# Allegro board 038RT-9068CJK8E-A100_0921.brd (continued)
## Routing (per net, layer and track width the routed paths; a pad name or vN(x,y) marks a point on that pad's centre or on a via; arc(x,y) is an arc through that point) (continued)
SLOT23.DGS08: length 427.1
  TOP w0.203: STG2.2 v2(183.04,40.03)
  L15_SIGNAL w0.203: v2(183.04,40.03) 190.58,40.03 192.03,38.58 205.26,38.58 209.46,42.78 215.9,42.78 217.27,44.16 257.71,44.16 259.99,46.44 259.99,84.1 263.03,87.15 283.23,87.15 292.35,96.27 292.35,148.51 320.69,176.85 320.69,208.78 322.37,210.45 322.37,216.26 321.28,217.35 321.28,247.57 328.8,255.09 328.8,291.6 362.19,324.99 362.19,335.6 SLOT23.D3
SLOT23.DGS09: length 379.4
  L15_SIGNAL w0.203: SLOT23.D6 364.17,341.5 369.81,341.5 371.46,339.85 371.46,330.44 332.58,291.56 332.58,182.42 295.74,145.58 295.74,94.83 284.54,83.62 280.11,83.62 262.05,65.56 262.05,44.51 254.36,36.83 250.81,36.83 246.74,32.77 242.55,32.77 v2(241.41,31.63)
  BOTTOM w0.203: STG01.2 v2(241.41,31.63)
SLOT23.DGS15: length 143.2
  L15_SIGNAL w0.203: v2(265.1,444.54) 264.41,443.85 264.41,418.84 272.58,410.66 295.44,410.66 322.98,383.13 360.21,383.13 363.13,380.21 SLOT23.D24
  BOTTOM w0.203: UNK2STG01.2 v2(265.1,444.54)
SLOT23.DGS16: length 179
  L17_SIGNAL w0.203: SLOT23.F21 356.59,372.54 350.89,366.84 350.89,334.03 333.26,316.41 291.55,316.41 263.08,287.93 263.08,279.79 267.11,275.76 267.11,271.38 265.67,269.94 v2(265.67,269.62)
  L24_RLY w0.203: SLOT23.F21 360.02,373.43 360.02,377.65 SLOT23.F24
  BOTTOM w0.203: UNK2STG5.2 v2(265.67,269.62)
SLOT23.DGS18: length 206.2
  L17_SIGNAL w0.203: SLOT23.F18 360.11,365.56 360.11,348.23 360.82,347.52 369.53,347.52 370.19,346.86 370.19,330.61 349.23,309.65 334.83,309.65 313.73,288.55 313.73,279.82 310.75,276.84 310.75,276.39 311.24,275.9 311.24,256.17 311.92,255.49 311.92,242.42 306.56,237.06 281.49,237.06 277.86,240.69 v2(277.86,241.04)
  BOTTOM w0.203: UNK2STG6.2 v2(277.86,241.04)
SLOT23.DGS22: length 747.5
  L17_SIGNAL w0.203: SLOT23.F3 354.42,341.25 354.42,367.1 357.1,369.78 359.55,369.78 360.02,370.25 360.02,385.35 349.49,395.87 292.79,395.87 283.11,405.55 200.31,405.55 189.39,416.46 142.77,416.46 135.02,424.21 135.02,443.26 127.69,450.6 111.39,450.6 99.3,438.51 99.3,428.35 119.78,407.86 119.78,327.71 121.99,325.51 121.99,305.66 119.78,303.45 119.78,272.75 120.75,271.78 127.18,271.78 128.62,270.35 128.62,256.37 130.78,254.21 146.71,254.21 147.96,252.96 147.96,229.34 149.36,227.94 149.36,211.18 152.15,208.39 262.23,208.39 263.46,209.62 v2(265.67,209.62)
  L24_RLY w0.203: SLOT23.F6 360.02,341.65 360.02,337.43 SLOT23.F3
  BOTTOM w0.203: STG5.2 v2(265.67,209.62)
SLOT23.FORCE09: length 0.8
  BOTTOM w0.203: ST01.1 v2(240.14,34.17)
  vias: v2(243.78,36.91) v2(243.78,35.89) v2(244.79,36.91) v2(244.79,35.89)
SLOT23.FORCE15: length 1.3
  L23_POWER w1.524: SLOT23.E22 361.13,375.12
  BOTTOM w0.203: UNK2ST01.1 v2(266.37,442)
  vias: v2(261.72,440.28) v2(261.72,439.27) v2(262.73,440.28) v2(262.73,439.27)
SLOT23.SENSE00: length 249.3
  L17_SIGNAL w0.203: SLOT23.C22 365.94,373.73 371.75,373.73 373.37,372.12 373.37,327.24 351.68,305.55 340.17,305.55 328.75,294.13 328.75,208.98 324.06,204.29 324.06,200.7 320.91,197.56 320.91,183.21 317.96,180.26 303.21,180.26 v1(300.57,182.9)
SLOT23.SENSE01: length 255.7
  L17_SIGNAL w0.203: SLOT23.C19 366.17,367.5 370.76,367.5 372.59,365.67 372.59,327.56 351.35,306.32 339.54,306.32 321.7,288.47 321.7,276.3 323.36,274.64 323.36,269.42 321.51,267.57 321.51,217.45 323.11,215.84 323.11,209.45 321.08,207.42 321.08,198.93 317.24,195.09 317.24,184.13 316.78,183.66 300.24,183.66 299.76,183.19 299.76,182.71 v1(300.57,181.9) 298.8,180.12 289.56,180.12 v2(288.82,180.86)
  BOTTOM w0.203: ST1.2 v2(288.82,180.86)
SLOT23.SENSE02: length 147.6
  L15_SIGNAL w0.203: SLOT23.C16 364.2,363.47 352.79,363.47 346.31,357 346.31,331.47 309.52,294.67 309.52,278.35 302.39,271.22 302.39,262.55 298.73,258.9 298.73,256.51 v2(295.43,253.2)
  BOTTOM w0.203: UNK2ST3.2 v2(295.43,253.2)
SLOT23.SENSE03: length 124.4
  TOP w0.203: UNK2ST2.2 v2(323.5,438.48)
  L15_SIGNAL w0.203: SLOT23.C13 364.22,357.45 364.22,360.81 364.94,361.52 369.51,361.52 370.44,362.46 370.44,380.33 341.83,408.94 326.33,408.94 317.9,417.37 317.9,437.87 318.54,438.51 319.66,438.51 319.69,438.48 v2(323.5,438.48)
SLOT23.SENSE04: length 242.4
  L17_SIGNAL w0.203: SLOT23.C10 366.12,351.53 369.85,351.53 371.24,350.14 371.24,328.83 351.18,308.77 337.22,308.77 318.07,289.61 318.07,200.69 317.51,200.14 315.19,200.14 314.54,199.49 314.54,198.11 313.17,196.74 291.46,196.74 288.27,193.54 288.27,188.05 284.6,184.38 284.6,180.76 283.91,180.07 278.9,180.07 278.7,180.27 v2(278.7,181.06)
  BOTTOM w0.203: ST6.2 v2(278.7,181.06)
SLOT23.SENSE05: length 186.8
  L15_SIGNAL w0.203: v2(295.43,193.2) 298.73,196.51 298.73,198.9 302.39,202.55 302.39,211.99 309.57,219.18 309.57,248.5 319.55,258.48 319.55,277.49 322.3,280.25 322.3,293.87 355.96,327.53 355.96,343.79 357.74,345.57 364.1,345.57 SLOT23.C7
  BOTTOM w0.203: ST3.2 v2(295.43,193.2)
SLOT23.SENSE06: length 134.9
  L17_SIGNAL w0.203: SLOT23.C4 364.09,337.51 364.09,330.61 346.29,312.8 330.53,312.8 306.46,288.73 306.46,269.84 305.31,268.7 305.31,260.85 306.37,259.79 306.37,244.58 305.31,243.52 302.55,243.52 301.93,242.9 v1(300.57,242.9)
SLOT23.SENSE07: length 145.4
  L17_SIGNAL w0.203: v2(288.82,240.86) 289.26,240.42 299.09,240.42 v1(300.57,241.9) 302.12,240.35 305.98,240.35 307.31,241.69 307.31,288.58 330.83,312.09 346.92,312.09 364.98,330.15 364.98,332.4 SLOT23.C1
  BOTTOM w0.203: UNK2ST1.2 v2(288.82,240.86)
SLOT23.SENSE08: length 427
  TOP w0.203: ST2.2 v2(183.01,38.96)
  L15_SIGNAL w0.203: SLOT23.C2 364.09,333.51 364.09,325.92 329.49,291.32 329.49,254.8 321.97,247.28 321.97,217.64 323.06,216.55 323.06,210.17 321.38,208.49 321.38,176.56 293.04,148.22 293.04,95.99 283.51,86.46 263.32,86.46 260.68,83.81 260.68,45.94 256.69,41.95 209.56,41.95 205.33,37.72 191.57,37.72 190.33,38.96 v2(183.01,38.96)
SLOT23.SENSE09: length 375.6
  L15_SIGNAL w0.203: SLOT23.C5 366.1,339.57 370.47,339.57 370.8,339.24 370.8,330.72 331.92,291.84 331.92,182.7 295.08,145.86 295.08,95.1 284.26,84.28 279.84,84.28 261.39,65.83 261.39,45.5 253.98,38.1 249.92,38.1 246.74,34.93 243.44,34.93 v2(240.14,31.63)
  BOTTOM w0.203: ST01.2 v2(240.14,31.63)
SLOT23.SENSE15: length 145.4
  L15_SIGNAL w0.203: v2(266.37,444.54) 265.76,443.93 265.76,418.61 272.91,411.46 295.77,411.46 323.31,383.92 360.54,383.92 364.09,380.37 364.09,377.58 SLOT23.C23
  BOTTOM w0.203: UNK2ST01.2 v2(266.37,444.54)
SLOT23.SENSE16: length 174.3
  L17_SIGNAL w0.203: v2(265.67,270.76) 265.67,272.57 265.18,273.06 265.18,276.21 262.35,279.04 262.35,289.35 291.3,318.31 333.24,318.31 349.57,334.64 349.57,367.83 358.28,376.54 SLOT23.F23
  BOTTOM w0.203: v2(265.67,270.76) 264.8,270.76 264.34,270.31 UNK2RS5.2
SLOT23.SENSE17: length 173.4
  L17_SIGNAL w0.203: SLOT23.F20 356.11,370.54 351.65,366.08 351.65,333.72 333.57,315.65 292.39,315.65 264.05,287.3 264.05,281.2 269.29,275.96 269.29,272.48 v2(265.67,268.86)
  BOTTOM w0.203: UNK2RS5.1 v2(265.67,268.86) UNK2ST5.2
SLOT23.SENSE18: length 201.8
  L17_SIGNAL w0.203: v2(278.7,241.06) 278.7,241.04 281.84,237.9 306.22,237.9 311.08,242.77 311.08,255.14 309.48,256.75 309.48,269.82 310.4,270.75 310.4,275.55 309.92,276.04 309.92,277.19 312.89,280.17 312.89,288.9 334.49,310.49 348.89,310.49 368.26,329.86 368.26,345.03 367.78,345.52 358.91,345.52 358.12,346.3 358.12,363.54 SLOT23.F17
  BOTTOM w0.203: UNK2ST6.2 v2(278.7,241.06)
SLOT23.SENSE22: length 754.7
  L17_SIGNAL w0.203: SLOT23.F5 356.56,343.11 356.56,365.74 358.33,367.5 363.3,367.5 364.02,368.22 364.02,383.95 350.25,397.72 293.55,397.72 283.88,407.4 201.07,407.4 190.16,418.31 144,418.31 136.97,425.33 136.97,444.15 128.68,452.44 110.62,452.44 97.82,439.64 97.82,427.22 117.94,407.1 117.94,326.95 120.14,324.75 120.14,306.62 117.94,304.42 117.94,269.78 120.05,267.67 125.57,267.67 127.12,266.11 127.12,254.98 129.63,252.48 142.32,252.48 143.69,251.11 143.69,242.41 144.46,241.65 144.46,228.52 145.65,227.33 145.65,209.5 150.69,204.47 262.93,204.47 264.98,206.52 266.65,206.52 267.07,206.94 267.07,209.36 v2(265.67,210.76)
  BOTTOM w0.203: v2(265.67,210.76) 264.8,210.76 264.34,210.31 RS5.2
SLOT23.SENSE23: length 748.7
  L17_SIGNAL w0.203: v2(265.67,208.86) 263.77,208.86 262.54,207.63 151.83,207.63 148.6,210.86 148.6,227.62 147.19,229.03 147.19,242.64 145.17,244.66 145.17,251.9 143.71,253.36 130.55,253.36 127.89,256.02 127.89,267.07 126.34,268.63 120.45,268.63 119.02,270.05 119.02,303.95 121.23,306.16 121.23,325.2 119.02,327.4 119.02,407.55 98.59,427.98 98.59,438.87 111.07,451.36 128.27,451.36 135.95,443.67 135.95,424.65 143.38,417.22 189.71,417.22 200.62,406.31 283.43,406.31 293.11,396.63 349.8,396.63 361.84,384.59 361.84,369.86 361.31,369.32 357.82,369.32 355.13,366.63 355.13,342.51 358.11,339.54 359.53,339.54 360.08,338.99 360.08,335.49 SLOT23.F2
  BOTTOM w0.203: RS5.1 v2(265.67,208.86) ST5.2
SLOT24.DGS00: length 209.2
  L17_SIGNAL w0.203: SLOT24.C24 390.53,379.71 388.04,382.19 380.46,382.19 379.09,380.83 379.09,324.37 365.78,311.05 365.78,261.08 369.59,257.27 369.59,240.59 371.76,238.42 398.76,238.42 400.42,240.07 407.22,240.07 v2(407.98,240.83)
  L24_RLY w0.203: SLOT24.C21 389.64,373.43 389.64,377.65 SLOT24.C24
  BOTTOM w0.203: UNK3STG1.2 v2(407.98,240.83)
SLOT24.DGS02: length 264.9
  L15_SIGNAL w0.203: SLOT24.C18 389.8,365.81 388.26,365.81 387.69,365.24 387.69,347.83 388.23,347.29 389.33,347.29 389.49,347.13 389.49,344.34 390.21,343.61 396.65,343.61 396.85,343.41 396.85,330.81 394.9,328.87 378.83,328.87 336.77,286.81 336.77,279.58 337.19,279.16 337.19,273.35 335.77,271.92 335.77,267.33 337.42,265.68 337.42,262.38 336.77,261.73 336.77,256.72 338.18,255.31 338.18,253.75 341.6,250.33 341.6,248.78 354.43,235.95 413.51,235.95 416.97,239.41 416.97,250.44 414.87,252.53 414.87,253.66 v2(415.43,254.22)
  BOTTOM w0.203: UNK3STG3.2 v2(415.43,254.22)
SLOT24.DGS03: length 117.8
  L15_SIGNAL w0.203: SLOT24.C15 391.66,359.41 394.92,359.41 395.72,360.21 395.72,385.04 423.98,413.3 432.42,413.3 437.97,418.85 437.97,443.44 439.08,444.54 v2(442.89,444.54)
  BOTTOM w0.203: UNK3STG01.2 v2(442.89,444.54)
SLOT24.DGS04: length 960.8
  L15_SIGNAL w0.203: v2(423.86,31.63) 426.29,29.2 440.16,29.2 445.13,34.17 445.13,57.41 448.03,60.32 499.23,60.32 503.91,55.63 503.91,46.74 508.12,42.54 558.65,42.54 560.57,44.46 560.57,120.79 582.85,143.07 582.85,166.94 584.44,168.53 608.31,168.53 612.89,173.11 612.89,179.7 605.27,187.32 605.27,191.01 606.54,192.28 606.54,195.45 612.12,201.04 612.12,211.84 609.2,214.76 609.2,244.86 605.27,248.79 605.27,250.57 606.28,251.59 606.28,254.76 612.12,260.6 612.12,274.38 608.83,277.67 608.83,295.77 604.5,300.11 527.28,300.11 514.34,313.05 514.34,347.48 568.57,401.71 568.57,431.79 563.73,436.63 535.3,436.63 531.87,433.21 501.52,433.21 499.21,430.9 499.21,416.93 492.75,410.47 426.71,410.47 398.5,382.26 398.5,354.19 397.75,353.44 391.63,353.44 SLOT24.C12
  BOTTOM w0.203: UNK1STG01.2 v2(423.86,31.63)
SLOT24.DGS05: length 400.4
  L15_SIGNAL w0.203: v2(415.43,194.22) 414.64,193.44 414.64,192.68 417.59,189.74 417.59,181.06 416.54,180.01 387.08,180.01 386.47,180.62 386.47,183.02 383.55,185.94 383.55,231.97 385.01,233.43 420.04,233.43 428.05,241.45 428.05,251.35 423.14,256.26 415.38,256.26 413.5,254.38 413.5,251.1 412.68,250.28 412.68,240.79 411.83,239.94 359.59,239.94 341.68,257.85 341.68,261.17 340.37,262.48 340.37,277.14 341.5,278.27 341.5,288.02 342.62,289.14 346.38,289.14 348.46,291.22 348.46,293.17 380.58,325.29 394.85,325.29 398.48,328.93 398.48,345.6 396.57,347.52 391.55,347.52 SLOT24.C9
  BOTTOM w0.203: UNK1STG3.2 v2(415.43,194.22)
SLOT24.DGS06: length 678.4
  L17_SIGNAL w0.203: SLOT24.C3 389.52,335.53 389.52,333.98 389.95,333.55 396.6,333.55 406.93,343.88 406.93,388.15 416.25,397.46 519,397.46 534,412.47 534,433.32 535.91,435.23 545.45,435.23 551.04,440.82 556.5,440.82 558.25,442.56 579.58,442.56 596.18,425.97 596.18,397.57 545.85,347.25 545.85,327.36 525.08,306.59 525.08,300.7 519.41,295.03 519.41,282.27 517.1,279.96 515.39,279.96 512.71,277.29 512.71,258.71 513.79,257.64 513.79,243.66 513.3,243.18 513.3,239.11 508.93,234.74 508.93,208.98 498.17,198.22 492,198.22 470.78,177 411.47,177 407.98,180.49 v2(407.98,180.83)
  L24_RLY w0.203: SLOT24.C3 389.64,337.43 389.64,341.65 SLOT24.C6
  BOTTOM w0.203: UNK1STG1.2 v2(407.98,180.83)
SLOT24.DGS08: length 687.7
  L17_SIGNAL w0.203: SLOT24.D3 389.6,337.62 397.27,337.62 405.2,345.55 405.2,388.86 415.53,399.2 504.89,399.2 526.43,420.73 526.43,432.08 527.92,433.58 531.73,433.58 535.03,436.88 544.31,436.88 545.96,438.53 545.96,443.28 548.88,446.2 580.04,446.2 597.91,428.33 597.91,394.01 547.59,343.69 547.59,326.64 526.83,305.89 526.83,297.64 521.14,291.96 521.14,281.14 518.36,278.37 516.78,278.37 516.15,277.74 516.15,255.89 519.18,252.87 519.18,238.9 512.04,231.76 512.04,209.34 498.76,196.06 492.29,196.06 471.5,175.27 401.29,175.27 397.86,178.7 v2(397.86,181.04)
  BOTTOM w0.203: UNK1STG6.2 v2(397.86,181.04)
SLOT24.DGS09: length 352.9
  TOP w0.203: UNK1STG2.2 v2(364.21,40.03)
  L15_SIGNAL w0.203: SLOT24.D6 387.55,341.57 383.5,341.57 380.68,338.75 380.68,337.3 333.23,289.85 333.23,184.41 373.66,143.99 373.66,86.15 361.03,73.52 361.03,66.31 365.49,61.85 365.49,41.31 v2(364.21,40.03)
SLOT24.DGS14: length 184.2
  L17_SIGNAL w0.203: v2(397.86,241.04) 397.31,240.49 375.09,240.49 373.85,241.73 373.85,257.49 370.41,260.92 370.41,272.83 375.33,277.75 375.33,318.48 380.59,323.75 380.59,379.88 381.41,380.7 386.14,380.7 387.69,379.15 387.69,373.38 SLOT24.D21
  BOTTOM w0.203: UNK3STG6.2 v2(397.86,241.04)
SLOT24.DGS15: length 176.4
  TOP w0.203: UNK3STG2.2 v2(501.26,437.41)
  L15_SIGNAL w0.203: SLOT24.D24 390.47,380.48 390.47,382.97 422.99,415.49 428.7,415.49 430.21,417 430.21,426.95 432.43,429.17 432.43,452.61 434.45,454.63 438.38,454.63 439.53,455.78 483,455.78 494.97,443.82 494.97,439.9 497.45,437.41 v2(501.26,437.41)
SLOT24.DGS16: length 123.9
  L17_SIGNAL w0.203: SLOT24.F24 382.17,376.18 382.17,323.09 376.9,317.83 376.9,297.09 380.05,293.95 380.05,277.81 383.86,273.99 383.86,271.43 v2(385.67,269.62)
  L24_RLY w0.203: SLOT24.F21 385.42,373.43 385.42,377.65 SLOT24.F24
  BOTTOM w0.203: UNK3STG5.2 v2(385.67,269.62)
SLOT24.DGS22: length 282.1
  L17_SIGNAL w0.203: SLOT24.F6 385.65,343.66 395.74,343.66 399.59,347.51 399.59,381.24 395.55,385.29 378.52,385.29 375.86,382.63 375.86,325.71 360.94,310.78 360.94,281.3 362.24,280 362.24,258.78 363.52,257.5 363.52,236.97 366.71,233.77 378.33,233.77 383.44,228.66 383.44,211.22 385.04,209.62 v2(385.67,209.62)
  L24_RLY w0.203: SLOT24.F3 385.42,337.43 385.42,341.65 SLOT24.F6
  BOTTOM w0.203: UNK1STG5.2 v2(385.67,209.62)
SLOT24.FORCE03: length 0.8
  BOTTOM w0.203: UNK3ST01.1 v2(444.16,442)
  vias: v2(439.5,440.28) v2(439.5,439.27) v2(440.52,440.28) v2(440.52,439.27)
SLOT24.FORCE04: length 0.8
  BOTTOM w0.203: UNK1ST01.1 v2(422.59,34.17)
  vias: v2(426.23,36.91) v2(426.23,35.89) v2(427.24,36.91) v2(427.24,35.89)
SLOT24.SENSE00: length 266.2
  L17_SIGNAL w0.203: SLOT24.C22 391.61,373.46 391.61,370.05 391.11,369.55 389.88,369.55 389.25,368.93 389.25,366.21 390,365.46 395.84,365.46 398.07,367.69 398.07,380.7 394.97,383.8 379.72,383.8 377.56,381.65 377.56,325 364.22,311.66 364.22,259.75 367.57,256.4 367.57,238.06 370.31,235.32 377.47,235.32 378.8,236.65 399.61,236.65 401.35,238.39 418.58,238.39 421.48,241.29 421.48,241.99 v1(420.57,242.9)
SLOT24.SENSE01: length 253.8
  L17_SIGNAL w0.203: SLOT24.C19 391.24,367.83 395.34,367.83 396.51,369 396.51,379.86 393.42,382.96 380.03,382.96 378.26,381.18 378.26,324.71 364.94,311.4 364.94,260.73 368.75,256.92 368.75,240.24 371.42,237.58 399.11,237.58 400.76,239.23 417.91,239.23 v1(420.57,241.9) 418.23,241.9 416.82,240.49 409.64,240.49 409.27,240.86 v2(408.82,240.86)
  BOTTOM w0.203: UNK3ST1.2 v2(408.82,240.86)
SLOT24.SENSE02: length 277
  L15_SIGNAL w0.203: v2(415.43,253.2) 417.9,250.73 417.9,238.67 414.43,235.2 354.12,235.2 341.14,248.19 341.14,249.65 336.02,254.76 336.02,262 336.79,262.76 336.79,265.3 335.14,266.95 335.14,272.29 336.41,273.56 336.41,277.75 336.02,278.13 336.02,287.88 378.08,329.95 394.49,329.95 396,331.46 396,341.44 395.8,341.64 389.98,341.64 389.56,342.06 389.56,342.99 389.14,343.41 387.98,343.41 387.56,343.83 387.56,345.1 387.19,345.47 385.92,345.47 385.63,345.77 385.63,366.85 386.16,367.38 391,367.38 391.45,366.93 391.45,363.46 SLOT24.C16
  BOTTOM w0.203: UNK3ST3.2 v2(415.43,253.2)
SLOT24.SENSE03: length 120.5
  L15_SIGNAL w0.203: SLOT24.C13 391.49,357.5 395.46,357.5 396.85,358.89 396.85,384.57 424.45,412.17 432.89,412.17 439.1,418.39 439.1,439.6 439.83,440.33 439.83,444.02 440.35,444.54 v2(444.16,444.54)
  BOTTOM w0.203: UNK3ST01.2 v2(444.16,444.54)
SLOT24.SENSE04: length 959.7
  L15_SIGNAL w0.203: SLOT24.C10 391.52,351.54 397.11,351.54 399.4,353.82 399.4,381.89 427.08,409.57 493.12,409.57 500.11,416.56 500.11,430.53 501.89,432.31 532.24,432.31 535.67,435.74 563.36,435.74 567.67,431.42 567.67,402.08 513.44,347.85 513.44,312.67 526.91,299.21 604.12,299.21 607.93,295.4 607.93,277.3 611.23,274.01 611.23,260.98 605.38,255.13 605.38,251.96 604.37,250.94 604.37,248.42 608.31,244.48 608.31,214.38 611.23,211.46 611.23,201.41 605.64,195.83 605.64,192.65 604.37,191.38 604.37,186.95 612,179.32 612,173.48 607.93,169.42 584.18,169.42 582.02,167.26 582.02,143.51 559.67,121.16 559.67,44.83 558.28,43.43 508.49,43.43 504.81,47.12 504.81,56.01 499.6,61.21 447.66,61.21 444.23,57.78 444.23,34.54 439.78,30.1 426.7,30.1 424.42,32.38 423.34,32.38 v2(422.59,31.63)
  BOTTOM w0.203: UNK1ST01.2 v2(422.59,31.63)
SLOT24.SENSE05: length 404
  L15_SIGNAL w0.203: v2(415.43,193.2) 418.51,190.12 418.51,180.7 417.15,179.35 384.34,179.35 383.89,179.8 383.89,184.04 382.87,185.06 382.87,232.32 384.72,234.17 419.73,234.17 427.31,241.75 427.31,251.04 422.83,255.52 415.57,255.52 414.19,254.13 414.19,250.84 413.37,250.03 413.37,240.24 412.34,239.21 358.66,239.21 340.81,257.06 340.81,260.77 338.5,263.08 338.5,266.89 337.17,268.22 337.17,271.23 338.5,272.56 338.5,276.67 340.34,278.51 340.34,280.48 338.63,282.19 338.63,287.38 346.65,295.4 348.61,295.4 379.83,326.62 394.49,326.62 397.61,329.74 397.61,345.08 397.26,345.43 391.42,345.43 SLOT24.C7
  BOTTOM w0.203: UNK1ST3.2 v2(415.43,193.2)
SLOT24.SENSE06: length 652
  L17_SIGNAL w0.203: v1(420.57,182.9) 420.98,182.9 421.65,183.56 474.36,183.56 491.25,200.45 493.95,200.45 499.95,206.45 499.95,232.39 507.84,240.28 507.84,253.86 509.2,255.22 509.2,258.44 508.12,259.52 508.12,266.97 508.97,267.82 508.97,275.9 517.12,284.04 517.12,297.67 522.02,302.57 522.02,306.31 544.02,328.32 544.02,349.96 592.7,398.64 592.7,427.05 581.22,438.53 559.58,438.53 556.83,435.78 550.4,435.78 547.78,433.16 547.78,423.22 520.05,395.49 420.89,395.49 409.49,384.08 409.49,333.59 404.86,328.96 390.35,328.96 387.54,331.77 387.54,339.17 388.12,339.75 389.32,339.75 SLOT24.C4
SLOT24.SENSE07: length 663.4
  L17_SIGNAL w0.203: SLOT24.C1 391.5,331.57 396.48,331.57 407.77,342.86 407.77,387.8 416.59,396.63 519.79,396.63 534.79,411.63 534.79,432.83 535.67,433.71 547.1,433.71 550.02,436.63 554.97,436.63 559.29,440.94 580.02,440.94 595.34,425.62 595.34,398.73 545.02,348.41 545.02,327.71 524.17,306.87 524.17,301.4 518.57,295.8 518.57,284.18 511.35,276.96 511.35,238.82 507.23,234.7 507.23,208.81 497.48,199.06 491.66,199.06 470.44,177.84 424.63,177.84 v1(420.57,181.9) 419.01,180.34 409.34,180.34 v2(408.82,180.86)
  BOTTOM w0.203: UNK1ST1.2 v2(408.82,180.86)
SLOT24.SENSE08: length 680.4
  L17_SIGNAL w0.203: SLOT24.C2 391.55,335.56 396.91,335.56 406.03,344.68 406.03,388.52 415.88,398.36 505.42,398.36 527.26,420.2 527.26,431.65 528.43,432.82 532.11,432.82 535.42,436.12 544.94,436.12 548.12,439.29 548.12,442.83 550.66,445.37 579.69,445.37 597.07,427.99 597.07,395.02 546.75,344.7 546.75,326.99 526,306.24 526,298.08 520.3,292.38 520.3,281.85 517.62,279.16 516.3,279.16 515.34,278.2 515.34,254.85 517.17,253.02 517.17,238.38 510.47,231.68 510.47,209.22 498.58,197.33 492.37,197.33 471.16,176.11 401.63,176.11 398.7,179.04 v2(398.7,181.06)
  BOTTOM w0.203: UNK1ST6.2 v2(398.7,181.06)
SLOT24.SENSE09: length 356.5
  TOP w0.203: UNK1ST2.2 v2(364.19,38.96)
  L15_SIGNAL w0.203: v2(364.19,38.96) 366.12,40.9 366.12,62.36 361.7,66.78 361.7,73.24 374.33,85.87 374.33,144.27 336.6,182 336.6,196.76 335.73,197.64 335.73,199.51 336.72,200.5 336.72,207.32 335.81,208.24 335.81,215.26 336.53,215.99 336.53,219.46 335.81,220.18 335.81,227.65 336.43,228.27 336.43,231.39 335.44,232.39 335.44,233.97 336.39,234.92 336.39,243.07 333.89,245.58 333.89,282.45 334.39,282.96 334.39,290.06 383.77,339.43 389.41,339.43 SLOT24.C5
SLOT24.SENSE14: length 192.8
  L17_SIGNAL w0.203: v2(398.7,241.06) 398.7,240.69 397.66,239.65 374.74,239.65 373.01,241.39 373.01,257.14 369.58,260.58 369.58,273.18 374.49,278.09 374.49,318.83 379.76,324.09 379.76,380.22 380.99,381.46 387.46,381.46 389.47,379.45 389.47,371.6 SLOT24.C20
  BOTTOM w0.203: UNK3ST6.2 v2(398.7,241.06)
SLOT24.SENSE15: length 174.7
  TOP w0.203: UNK3ST2.2 v2(501.29,438.48)
  L15_SIGNAL w0.203: v2(501.29,438.48) 497.48,438.48 494.22,441.74 494.22,443.51 482.69,455.03 439.84,455.03 438.69,453.88 434.76,453.88 433.18,452.3 433.18,428.86 430.96,426.64 430.96,416.26 429.13,414.44 423.43,414.44 391.52,382.53 391.52,377.54 SLOT24.C23
SLOT24.SENSE16: length 113.8
  L17_SIGNAL w0.203: v2(385.67,270.76) 384.52,271.91 384.52,274.55 380.87,278.2 380.87,294.12 377.78,297.22 377.78,317.47 383.04,322.73 383.04,375.05 SLOT24.F23
  BOTTOM w0.203: v2(385.67,270.76) 384.8,270.76 384.34,270.31 UNK3RS5.2
SLOT24.SENSE17: length 133.4
  L17_SIGNAL w0.203: v2(385.67,268.86) 385.35,268.86 383.2,271.01 383.2,273.57 379.28,277.49 379.28,293.63 376.14,296.77 376.14,318.14 381.41,323.41 381.41,379.43 381.79,379.81 385.14,379.81 385.61,379.35 385.61,371.62 SLOT24.F20
  BOTTOM w0.203: UNK3ST5.2 v2(385.67,268.86) UNK3RS5.1
SLOT24.SENSE22: length 272.1
  L17_SIGNAL w0.203: SLOT24.F5 383.8,341.27 383.8,345.03 384.26,345.49 395.13,345.49 398.78,349.14 398.78,381.03 395.25,384.56 379.11,384.56 376.7,382.14 376.7,325.36 363.27,311.94 363.27,259.11 364.39,257.99 364.39,255.84 366.34,253.89 366.34,236.99 368.71,234.61 378.92,234.61 384.3,229.24 384.3,212.62 385.67,211.25 v2(385.67,210.76)
  BOTTOM w0.203: v2(385.67,210.76) 384.8,210.76 384.34,210.31 UNK1RS5.2
SLOT24.SENSE23: length 288.5
  L17_SIGNAL w0.203: SLOT24.F2 385.45,335.47 385.45,341.02 386.01,341.58 395.59,341.58 400.36,346.35 400.36,381.56 395.86,386.05 378.21,386.05 375.1,382.94 375.1,326.02 360.14,311.06 360.14,259.07 362.75,256.46 362.75,236.65 366.4,233.01 378.01,233.01 382.68,228.35 382.68,210.9 384.72,208.86 v2(385.67,208.86)
  BOTTOM w0.203: UNK1ST5.2 v2(385.67,208.86) UNK1RS5.1
VDC:
  vias: v2(44.92,423.81) v2(45.55,432.96) v2(45.55,430.42) v2(45.55,427.88) v2(45.55,425.34) v2(46.07,423.81) v2(48.09,432.96) v2(48.09,430.42) v2(48.09,427.88) v2(48.09,425.34) v2(48.09,422.8) v2(50.63,432.96) v2(50.63,430.42) v2(50.63,427.88) v2(50.63,425.34) v2(50.63,422.8) v2(57.51,262.56) v2(57.51,202.56) v2(58.78,262.56) v2(58.78,202.56) v2(60.05,262.56) v2(60.05,202.56) v2(125.13,446.72) v2(143.67,25.33) v2(542.66,447.8) v2(594.04,20.85) v2(630.54,269.88) v2(630.54,209.88) v2(631.81,269.88) v2(631.81,209.88) v2(633.08,269.88) v2(633.08,209.88)
VN15:
  vias: v2(340.53,48.9) v2(341.17,46.35) v2(341.49,44.45) v2(341.49,43.18) v2(341.49,41.91)
VP5A: length 6.6
  BOTTOM w0.508: R592.2 v1(50.35,240.77) ; R590.2 237.03,183.37 236.58,183.82 v1(235.67,183.82) ; v2(596.93,46.83) 596.94,46.82 UB1.8
  vias: v1(141.9,210.38) v1(143.41,215.43) v1(218.44,191.16) v1(257.63,183.74) v2(340.39,16.45) v2(340.97,13.99) v2(342.08,16.9) v2(607.06,44.09)
VP5A_RLD: length 1.7
  TOP w0.508: LDB2.1 342.08,18.61 LRB2.2
VP5B:
  vias: v2(348.41,16.44) v2(348.99,13.99) v2(350.1,16.9)
VP5B_EN: length 5.9
  TOP w0.508: RBB8.1 341.7,123.53 344.97,123.53 SLOT18.C16
VP5B_RLD: length 1.7
  TOP w0.508: LDB1.1 350.1,18.6 LRB1.2
VP12:
  vias: v2(618.9,20.69) v2(620.17,20.69) v2(621.44,20.69) v2(623.69,20.68) v2(626.49,20.68) v2(629.28,20.68) v2(632.07,20.68) v2(634.87,20.68) v2(637.66,20.68) v2(639.96,20.68) v2(642.75,20.68)
VP12_F: length 17.2
  BOTTOM w0.35: MUX1.12 v1(337.67,272.61) ; MUX10.12 v1(337.67,249.75) ; MUX12.12 v1(337.67,261.18) ; MUX3.12 v1(326.3,272.61) ; MUX7.12 v1(337.67,238.32) ; MUX2.12 v1(325.92,192.6) ; MUX11.12 v1(326.24,261.18) ; MUX9.12 v1(337.67,192.6) ; MUX14.12 v1(337.67,215.46) ; MUX5.12 v1(325.92,204.03) ; MUX4.12 v1(326.24,238.32) ; MUX15.12 v1(325.92,215.46) ; MUX6.12 v1(337.67,204.03) ; MUX8.12 v1(326.24,249.75) ; MUX16.12 v1(325.92,226.89) ; MUX13.12 v1(337.67,226.89)
  vias: v2(604.02,19.99)
VP12_R: length 20.8
  TOP w0.508: FILTER1.5 602.71,17.54 601.38,18.87 R1.1 603.95,24.12 v2(604.02,24.19) 606.47,26.64 FILTER1.6
VP12_RLD: length 2.7
  TOP w0.508: LDB3.1 648.28,22 LRB3.1
VP15:
  vias: v2(339.9,37.21) v2(341.35,35.23) v2(341.35,33.96) v2(341.35,32.69) v2(341.59,37.67)
VP15_RLD: length 1.7
  TOP w0.508: LDB5.1 341.59,39.37 LRB5.1
VP24:
  vias: v2(339.9,27.91) v2(341.35,25.93) v2(341.35,24.66) v2(341.35,23.39) v2(341.59,28.37)
VP24_RLD: length 1.7
  TOP w0.508: LDB4.1 341.51,30.07 LRB4.1
N16084055: length 1.7
  TOP w0.508: LDB6.1 338.42,49.11 LRB6.1
N44862767: length 7.7
  BOTTOM w0.115: RB1.2 UB1.3 602.41,44.09 601.14,45.36 UB1.7

## Copper pours and planes (outline as drawn; the poured copper is in the pictures)
AGND on L09_SIGNAL: 301.34,49.25 305.54,45.06 326.7,45.06 329.55,47.9 329.55,61.88 334.89,67.22 394.74,67.22 399.34,71.82 399.34,145.89 395.34,149.89 305.66,149.89 301.34,145.57
DGND on BOTTOM (solid shape): 137.26,274.9 137.31,275.02 137.43,275.05 138.53,274.72 137.99,274 137.41,273.35
DGND on BOTTOM (solid shape): 137.26,258.75 137.31,258.86 137.43,258.9 138.53,258.57 137.99,257.85 137.41,257.19
DGND on BOTTOM (solid shape): 137.26,214.9 137.31,215.02 137.43,215.05 138.53,214.72 137.99,214 137.41,213.35
DGND on BOTTOM (solid shape): 137.26,198.75 137.31,198.86 137.43,198.9 138.53,198.57 137.99,197.85 137.41,197.19
DGND on BOTTOM (solid shape): 229.29,242.94 229.35,243.06 229.47,243.1 230.56,242.76 230.02,242.05 229.44,241.39
DGND on BOTTOM (solid shape): 229.29,182.95 229.35,183.06 229.47,183.1 230.56,182.76 230.02,182.05 229.44,181.39
DGND on BOTTOM (solid shape): 251.5,242.94 251.56,243.06 251.68,243.1 252.77,242.76 252.24,242.05 251.66,241.39
DGND on BOTTOM (solid shape): 251.5,182.95 251.56,183.06 251.68,183.1 252.77,182.76 252.24,182.05 251.66,181.39
DGND on BOTTOM (solid shape): 445.23,258.99 445.17,258.88 445.05,258.84 443.96,259.17 444.49,259.89 445.07,260.55
DGND on BOTTOM (solid shape): 445.23,198.99 445.17,198.88 445.05,198.84 443.96,199.18 444.49,199.89 445.07,200.55
DGND on BOTTOM (solid shape): 467.44,258.99 467.38,258.88 467.26,258.84 466.17,259.17 466.71,259.89 467.29,260.55
DGND on BOTTOM (solid shape): 467.44,198.99 467.38,198.88 467.26,198.84 466.17,199.18 466.71,199.89 467.29,200.55
DGND on BOTTOM (solid shape): 553.34,273.69 553.28,273.58 553.16,273.54 552.07,273.87 552.61,274.59 553.19,275.25
DGND on BOTTOM (solid shape): 553.34,257.54 553.28,257.42 553.16,257.39 552.07,257.72 552.61,258.44 553.19,259.09
DGND on BOTTOM (solid shape): 553.34,213.69 553.28,213.58 553.16,213.54 552.07,213.87 552.61,214.59 553.19,215.25
DGND on BOTTOM (solid shape): 553.34,197.54 553.28,197.42 553.16,197.39 552.07,197.72 552.61,198.44 553.19,199.09
DGND on BOTTOM (solid shape): 41.15,281.39 41.26,281.56 41.47,281.59 42.26,281.09 41.73,280.34 41.15,279.72
DGND on BOTTOM (solid shape): 41.15,230.59 41.26,230.76 41.47,230.79 42.26,230.29 41.73,229.54 41.15,228.92
DGND on BOTTOM (solid shape): 649.45,277.41 649.33,277.24 649.12,277.21 648.33,277.71 648.87,278.46 649.45,279.08
DGND on BOTTOM (solid shape): 649.45,226.61 649.33,226.44 649.12,226.41 648.33,226.91 648.87,227.66 649.45,228.28
DGND on TOP: 579.68,46.35 582.86,46.35 583.49,46.98 583.49,51.43 582.86,52.06 579.68,52.06 579.05,51.43 579.05,46.98
DGND on TOP: 45.06,445.11 50.4,445.11 50.81,444.7 50.81,434.42 50.55,434.16 45.14,434.16 44.72,434.58 44.72,444.77
DGND on TOP: 22.82,392.8 24.16,392.8 24.43,393.08 24.43,394.88 24.13,395.19 22.74,395.19 22.53,394.98 22.53,393.09
DGND on TOP: 3.88,212 25.15,212 27.58,214.43 27.58,297.24 26.45,298.37 3.06,298.37 2.23,297.54 2.23,213.65
DGND on TOP: 283.09,425.79 283.09,428.23 283.91,429.06 283.91,429.44 283.66,429.69 282.64,429.69 282.64,431.09 281.14,432.59 281.14,440.26 281.83,440.95 291.02,440.95 291.51,440.45 291.51,432.34 294.94,428.92 310.66,428.92 313.22,431.47 313.22,456.6 310.94,458.88 264.72,458.88 263.35,457.51 263.35,439.29 278.15,424.48 281.79,424.48 ; 1 cut-out
DGND on TOP: 32.81,478.97 35.86,478.97 36.23,478.6 36.23,468.25 36,468.02 32.6,468.02 32.16,468.46 32.16,478.32
DGND on TOP: 49.04,450.28 49.04,447.24 48.67,446.87 38.32,446.87 38.09,447.1 38.09,450.49 38.53,450.93 48.39,450.93
DGND on TOP: 59.3,422.31 56.26,422.31 55.88,422.68 55.88,433.04 56.11,433.27 59.51,433.27 59.95,432.83 59.95,422.96
DGND on TOP: 49.04,477.4 49.04,474.35 48.67,473.98 38.32,473.98 38.09,474.21 38.09,477.61 38.53,478.05 48.39,478.05
DGND on TOP: 467.88,50.39 467.88,47.94 467.05,47.12 467.05,46.74 467.31,46.48 468.32,46.48 468.32,45.09 469.83,43.58 469.83,35.91 469.14,35.23 459.95,35.23 459.45,35.72 459.45,43.83 456.03,47.25 440.31,47.25 437.75,44.7 437.75,19.57 440.03,17.29 486.25,17.29 487.62,18.67 487.62,36.88 472.81,51.69 469.18,51.69 ; 1 cut-out
DGND on TOP: 398.87,425.79 398.87,428.23 399.69,429.06 399.69,429.44 399.44,429.69 398.42,429.69 398.42,431.09 396.92,432.59 396.92,440.26 397.6,440.95 406.8,440.95 407.29,440.45 407.29,432.34 410.72,428.92 426.44,428.92 428.99,431.47 428.99,456.6 426.72,458.88 380.5,458.88 379.12,457.51 379.12,439.29 393.93,424.48 397.56,424.48 ; 1 cut-out
DGND on TOP: 665.48,60.59 665.48,68.61 664.27,69.82 648.74,69.82 648.02,69.1 648.02,60.2 648.57,59.65 664.53,59.65
DGND on TOP: 686.71,296 665.45,296 663.02,293.57 663.02,210.76 664.15,209.63 687.54,209.63 688.36,210.46 688.36,294.35
DGND on TOP: 460.87,425.79 460.87,428.23 461.7,429.06 461.7,429.44 461.45,429.69 460.43,429.69 460.43,431.09 458.93,432.59 458.93,440.26 459.61,440.95 468.81,440.95 469.3,440.45 469.3,432.34 472.73,428.92 488.45,428.92 491,431.47 491,456.6 488.73,458.88 442.51,458.88 441.13,457.51 441.13,439.29 455.94,424.48 459.57,424.48 ; 1 cut-out
DGND on TOP: 257.35,176.68 253.94,180.09 253.94,200.51 255.55,202.12 255.55,213.7 255.66,213.81 255.66,226.09 258.46,228.89 315.56,228.89 318.07,226.38 318.07,180.87 313.88,176.68 ; 1 cut-out
DGND on TOP: 151.86,447.74 148.69,447.74 148.05,447.1 148.05,442.66 148.69,442.02 151.86,442.02 152.5,442.66 152.5,447.1
DGND on TOP: 568.08,444.72 564.9,444.72 564.27,444.08 564.27,439.64 564.9,439 568.08,439 568.71,439.64 568.71,444.08
DGND on TOP: 35.47,434.58 35.47,431.54 35.09,431.17 24.74,431.17 24.51,431.4 24.51,434.79 24.95,435.23 34.81,435.23
DGND on TOP: 30.21,393.8 35.77,393.8 35.95,393.98 35.95,397.41 30.24,397.41 30.01,397.18 30.01,394
DGND on TOP: 558.95,179.58 557.44,181.09 557.44,210.07 556.32,211.19 535.4,211.19 514.81,190.59 473.07,190.59 471.49,192.17 471.49,198.18 473.17,199.86 509.15,199.86 536.2,226.9 557.79,226.9 558.18,227.29 558.18,233.03 558.74,233.59 594.51,233.59 596.37,235.45 641.56,235.45 646.11,230.89 646.11,180.12 645.57,179.58 ; 5 cut-outs
DGND on TOP: 377.35,236.68 373.94,240.09 373.94,260.51 375.55,262.12 375.55,273.7 375.66,273.81 375.66,286.09 378.46,288.89 433.08,288.89 443.13,278.85 443.13,245.84 433.97,236.68 ; 1 cut-out
DGND on TOP: 35.97,460.3 35.97,457.25 35.6,456.88 25.25,456.88 25.02,457.11 25.02,460.51 25.46,460.95 35.32,460.95
DGND on TOP: 221.08,425.79 221.08,428.23 221.9,429.06 221.9,429.44 221.65,429.69 220.63,429.69 220.63,431.09 219.13,432.59 219.13,440.26 219.82,440.95 229.01,440.95 229.51,440.45 229.51,432.34 232.93,428.92 248.65,428.92 251.21,431.47 251.21,456.6 248.93,458.88 202.71,458.88 201.34,457.51 201.34,439.29 216.15,424.48 219.78,424.48 ; 1 cut-out
DGND on TOP: 257.35,236.68 253.94,240.09 253.94,260.51 255.55,262.12 255.55,273.7 255.66,273.81 255.66,286.09 258.46,288.89 315.56,288.89 318.07,286.38 318.07,240.87 313.88,236.68 ; 1 cut-out
DGND on TOP: 405.87,50.39 405.87,47.94 405.05,47.12 405.05,46.74 405.3,46.48 406.32,46.48 406.32,45.09 407.82,43.58 407.82,35.91 407.13,35.23 397.94,35.23 397.44,35.72 397.44,43.83 394.02,47.25 378.3,47.25 375.74,44.7 375.74,19.57 378.02,17.29 424.24,17.29 425.61,18.67 425.61,36.88 410.8,51.69 407.17,51.69 ; 1 cut-out
DGND on TOP: 18.55,401.12 25.64,401.12 27.9,403.38 27.9,416.18 25.87,418.21 19.11,418.21 17.94,417.04 17.94,401.73
DGND on TOP: 47.76,176.57 44.75,179.58 44.75,208.69 44.65,208.79 44.65,216.82 44.75,216.92 44.75,227 50.68,232.93 129.56,232.93 132.88,229.62 132.88,202.96 134.58,201.25 204.68,201.25 212.95,192.99 219.02,192.99 220.12,191.89 223.02,191.89 224.85,190.06 224.85,183.55 223.18,181.87 208.59,181.87 206.82,183.64 137.26,183.64 130.19,176.57 ; 7 cut-outs
DGND on TOP: 47.76,236.05 44.07,239.74 44.07,291.35 45.58,292.87 132.13,292.87 133.26,291.74 133.26,262.24 134.25,261.25 144.33,261.25 146.77,258.82 212.02,258.82 219.81,251.03 225.09,251.03 225.57,250.55 225.57,244.27 225.57,244.27 223.18,241.87 208.59,241.87 204.6,245.87 140.03,245.87 130.22,236.05 ; 5 cut-outs
DGND on TOP: 20.23,2.77 28.24,2.77 29.45,3.98 29.45,19.52 28.74,20.24 19.84,20.24 19.28,19.68 19.28,3.72
DGND on TOP: 664.25,381.99 664.25,390.01 663.04,391.22 647.5,391.22 646.78,390.5 646.78,381.6 647.34,381.05 663.3,381.05
DGND on TOP: 223.42,50.39 223.42,47.94 222.6,47.12 222.6,46.74 222.85,46.48 223.87,46.48 223.87,45.09 225.37,43.58 225.37,35.91 224.68,35.23 215.49,35.23 215,35.72 215,43.83 211.57,47.25 195.85,47.25 193.29,44.7 193.29,19.57 195.57,17.29 241.79,17.29 243.17,18.67 243.17,36.88 228.36,51.69 224.72,51.69 ; 1 cut-out
DGND on TOP: 122.25,40.78 125.42,40.78 126.06,41.42 126.06,45.86 125.42,46.5 122.25,46.5 121.61,45.86 121.61,41.42
DGND on TOP: 285.43,50.39 285.43,47.94 284.61,47.12 284.61,46.74 284.86,46.48 285.88,46.48 285.88,45.09 287.38,43.58 287.38,35.91 286.69,35.23 277.5,35.23 277.01,35.72 277.01,43.83 273.58,47.25 257.86,47.25 255.3,44.7 255.3,19.57 257.58,17.29 303.8,17.29 305.18,18.67 305.18,36.88 290.37,51.69 286.73,51.69 ; 1 cut-out
DGND on TOP: 558.81,238.9 557.46,240.24 557.46,269.31 555.58,271.19 550.81,271.19 530.22,250.59 473.07,250.59 471.49,252.17 471.49,258.18 472.78,259.47 523.71,259.47 545.56,281.32 545.57,281.32 550.33,286.09 560.86,286.09 561.72,286.95 561.72,292.56 562.73,293.57 594.37,293.57 596.82,296.02 641.56,296.02 647.06,290.52 647.06,242.52 643.43,238.9 ; 5 cut-outs
DGND on TOP: 377.35,176.68 373.94,180.09 373.94,200.51 375.55,202.12 375.55,213.7 375.66,213.81 375.66,226.09 378.46,228.89 433.08,228.89 443.13,218.85 443.13,185.84 433.97,176.68 ; 1 cut-out
DGND on BOTTOM: 386.92,15.47 419.44,15.47 420.64,16.67 420.64,20.8 423.48,23.64 423.48,56.23 419.56,60.15 385.63,60.15 384,58.51 384,55.72 384.04,55.68 384.04,49.11 382.88,47.95 382.88,19.51 ; 8 cut-outs
DGND on BOTTOM: 302.04,460.7 269.52,460.7 268.32,459.5 268.32,455.38 265.48,452.53 265.48,419.95 269.39,416.03 303.33,416.03 304.96,417.66 304.96,420.45 304.92,420.5 304.92,427.07 306.08,428.23 306.08,456.67 ; 8 cut-outs
DGND on BOTTOM: 572.14,181.21 558.05,181.21 554.97,184.29 546.92,184.29 541.17,190.05 541.17,204.29 538.04,207.42 482.96,207.42 479.28,203.73 479.28,184.58 475.24,180.54 458.71,180.54 458.63,180.62 442.2,180.62 436.13,186.69 436.13,195.58 443.11,202.56 472.96,202.56 474.41,204.01 474.41,209.65 478.6,213.84 539.68,213.84 544.1,218.26 560.92,218.26 572.81,230.16 633.7,230.16 635.17,228.69 635.17,184.22 630.08,179.12 574.23,179.12 ; 22 cut-outs
DGND on BOTTOM: 678.67,19.56 678.67,31.62 677.4,32.89 672.96,32.89 671.69,34.16 671.69,50.04 672.96,51.31 677.4,51.31 678.67,52.58 678.67,64.01 676.13,66.55 667.65,66.55 666.6,65.5 666.6,60.95 664.58,58.93 651.37,58.93 643.75,51.31 643.75,30.67 654.54,19.88 670.73,19.88 672.32,18.29 677.4,18.29 ; 3 cut-outs
DGND on BOTTOM: 227.27,260.87 262.33,260.87 263.29,261.82 263.29,275.15 262.74,275.69 227.3,275.69 226.54,274.93 226.54,261.6 ; 8 cut-outs
DGND on BOTTOM: 670.2,84.27 668.55,84.27 668.5,84.22 668.5,83.22 668.67,83.05 670.25,83.05 670.42,83.21 670.42,84.05
DGND on BOTTOM: 479.83,460.7 447.31,460.7 446.11,459.5 446.11,455.38 443.26,452.53 443.26,419.95 447.18,416.03 481.12,416.03 482.75,417.66 482.75,420.45 482.71,420.5 482.71,427.07 483.87,428.23 483.87,456.67 ; 8 cut-outs
DGND on BOTTOM: 323.86,211.23 323.86,216.18 323.05,216.99 316.59,216.99 315.64,216.04 315.64,210.83 316.21,210.26 322.89,210.26 ; 1 cut-out
DGND on BOTTOM: 20.18,126.94 20.18,126.04 20.42,125.8 21.84,125.8 22.08,126.04 22.08,126.92 21.76,127.23 20.47,127.23
DGND on BOTTOM: 417.82,460.7 385.3,460.7 384.1,459.5 384.1,455.38 381.25,452.53 381.25,419.95 385.17,416.03 419.11,416.03 420.74,417.66 420.74,420.45 420.7,420.5 420.7,427.07 421.86,428.23 421.86,456.67 ; 8 cut-outs
DGND on BOTTOM: 48.16,243.58 24.85,243.58 20.51,239.24 20.51,226.34 24.54,222.32 47.3,222.32 49.99,225.01 49.99,229.94 50.72,230.67 50.72,241.02 ; 2 cut-outs
DGND on BOTTOM: 218.32,240.03 215.78,242.57 215.78,251 214.31,252.48 132.57,252.48 123.31,243.22 119.95,243.22 119.01,242.28 56.89,242.28 55.42,243.75 55.42,288.22 60.61,293.41 130.53,293.41 135.38,288.57 158.35,288.57 163.5,283.41 163.5,261.17 165.24,259.44 210.42,259.44 212.71,261.72 235.21,261.72 237.61,259.32 258.72,259.32 260.87,257.18 260.87,244.47 256.42,240.03 ; 22 cut-outs
DGND on BOTTOM: 347.27,260.87 382.33,260.87 383.28,261.82 383.28,275.15 382.74,275.69 347.3,275.69 346.54,274.93 346.54,261.6 ; 8 cut-outs
DGND on BOTTOM: 227.27,200.87 262.33,200.87 263.29,201.82 263.29,215.15 262.74,215.69 227.3,215.69 226.54,214.93 226.54,201.6 ; 8 cut-outs
DGND on BOTTOM: 204.47,15.47 236.99,15.47 238.19,16.67 238.19,20.8 241.04,23.64 241.04,56.23 237.12,60.15 203.18,60.15 201.55,58.51 201.55,55.72 201.59,55.68 201.59,49.11 200.43,47.95 200.43,19.51 ; 8 cut-outs
DGND on BOTTOM: 347.27,200.87 382.33,200.87 383.28,201.82 383.28,215.15 382.74,215.69 347.3,215.69 346.54,214.93 346.54,201.6 ; 8 cut-outs
DGND on BOTTOM: 658.45,141.23 656.8,141.23 656.75,141.17 656.75,140.18 656.92,140.01 658.5,140.01 658.67,140.17 658.67,141.01
DGND on BOTTOM: 448.93,15.47 481.45,15.47 482.65,16.67 482.65,20.8 485.49,23.64 485.49,56.23 481.57,60.15 447.64,60.15 446.01,58.51 446.01,55.72 446.05,55.68 446.05,49.11 444.89,47.95 444.89,19.51 ; 8 cut-outs
DGND on BOTTOM: 20.39,361.12 22.04,361.12 22.1,361.17 22.1,362.17 21.92,362.34 20.34,362.34 20.18,362.18 20.18,361.34
DGND on BOTTOM: 323.86,271.23 323.86,276.18 323.05,276.99 316.59,276.99 315.64,276.04 315.64,270.83 316.21,270.26 322.89,270.26 ; 1 cut-out
DGND on BOTTOM: 391.68,239.7 384.06,247.32 384.06,289.87 386.25,292.06 424.41,292.06 427.87,288.6 427.87,240.97 426.6,239.7 410.29,239.7 409.39,240.61 409.39,243.69 409.3,243.78 407.58,243.78 407.39,243.58 407.39,240.77 406.32,239.7 400.37,239.7 399.24,240.83 399.24,243.62 399.05,243.81 397.88,243.81 397.31,243.24 397.31,240.87 396.15,239.7 ; 17 cut-outs
DGND on BOTTOM: 391.68,179.7 384.06,187.32 384.06,229.87 386.25,232.06 424.41,232.06 427.87,228.6 427.87,180.97 426.6,179.7 410.29,179.7 409.39,180.61 409.39,183.69 409.3,183.78 407.58,183.78 407.39,183.58 407.39,180.77 406.32,179.7 400.37,179.7 399.24,180.83 399.24,183.62 399.05,183.81 397.88,183.81 397.31,183.24 397.31,180.87 396.15,179.7 ; 17 cut-outs
DGND on BOTTOM: 11.92,189.55 11.92,178.44 12.56,177.8 17,177.8 18.91,175.89 18.91,160.02 17.64,158.75 13.19,158.75 11.92,157.48 11.92,146.05 12.24,145.73 23.67,145.73 26.53,148.59 40.18,148.59 45.89,154.31 45.89,181.29 36.37,190.82 13.19,190.82 ; 3 cut-outs
DGND on BOTTOM: 271.68,239.7 264.06,247.32 264.06,289.87 266.25,292.06 304.41,292.06 307.87,288.6 307.87,240.97 306.6,239.7 290.29,239.7 289.39,240.61 289.39,243.69 289.3,243.78 287.58,243.78 287.39,243.58 287.39,240.77 286.32,239.7 280.37,239.7 279.24,240.83 279.24,243.62 279.05,243.81 277.88,243.81 277.31,243.24 277.31,240.87 276.15,239.7 ; 17 cut-outs
DGND on BOTTOM: 642.44,264.42 665.74,264.42 670.08,268.76 670.08,281.66 666.06,285.68 643.29,285.68 640.6,282.99 640.6,278.06 639.87,277.33 639.87,266.98 ; 2 cut-outs
DGND on BOTTOM: 670.2,319.6 668.55,319.6 668.5,319.55 668.5,318.55 668.67,318.38 670.25,318.38 670.42,318.54 670.42,319.38
DGND on BOTTOM: 11.92,64.13 11.92,52.07 13.19,50.8 17.64,50.8 18.91,49.53 18.91,33.66 17.64,32.38 13.19,32.38 11.92,31.12 11.92,19.69 14.46,17.15 31.61,17.15 46.85,32.38 46.85,53.02 36.05,63.82 19.86,63.82 18.27,65.41 13.19,65.41 ; 3 cut-outs
DGND on BOTTOM: 48.16,294.38 24.85,294.38 20.51,290.04 20.51,277.14 24.54,273.12 47.3,273.12 49.99,275.81 49.99,280.74 50.72,281.47 50.72,291.82 ; 2 cut-outs
DGND on BOTTOM: 4.94,396.7 10.83,396.7 11.54,397.41 11.54,400.84 11.13,401.24 5.04,401.24 4.53,400.74 4.53,397.1
DGND on BOTTOM: 216.42,180.34 211.01,185.75 211.01,202.23 205.67,207.57 158.02,207.57 143.89,193.43 134.98,193.43 123.83,182.28 56.89,182.28 55.42,183.76 55.42,228.23 60.49,233.3 118.1,233.3 120.64,230.76 132.86,230.76 134.79,228.83 151.32,228.83 165.19,214.96 210.32,214.96 223.58,201.7 236.05,201.7 237.73,200.03 258.33,200.03 261.5,196.85 261.5,186.06 255.79,180.34 ; 23 cut-outs
DGND on BOTTOM: 271.68,179.7 264.06,187.32 264.06,229.87 266.25,232.06 304.41,232.06 307.87,228.6 307.87,180.97 306.6,179.7 290.29,179.7 289.39,180.61 289.39,183.69 289.3,183.78 287.58,183.78 287.39,183.58 287.39,180.77 286.32,179.7 280.37,179.7 279.24,180.83 279.24,183.62 279.05,183.81 277.88,183.81 277.31,183.24 277.31,180.87 276.15,179.7 ; 17 cut-outs
DGND on BOTTOM: 642.44,213.62 665.74,213.62 670.08,217.96 670.08,230.86 666.06,234.88 643.29,234.88 640.6,232.19 640.6,227.26 639.87,226.53 639.87,216.18 ; 2 cut-outs
DGND on BOTTOM: 462.71,239.07 459.1,242.68 440.46,242.68 436.13,247.01 436.13,255.91 441.84,261.62 479.43,261.62 482,259.05 524.75,259.05 545.44,279.75 556.13,279.75 566.11,289.72 571.92,289.72 571.92,289.26 572.81,290.16 633.7,290.16 635.17,288.68 635.17,244.21 630.64,239.68 572.82,239.68 571.3,241.19 558.5,241.19 555.3,244.4 538.74,244.4 530.67,252.48 483.45,252.48 482.53,251.56 482.53,244.32 477.29,239.07 ; 23 cut-outs
DGND on BOTTOM: 266.48,15.47 299,15.47 300.2,16.67 300.2,20.8 303.04,23.64 303.04,56.23 299.13,60.15 265.19,60.15 263.56,58.51 263.56,55.72 263.6,55.68 263.6,49.11 262.44,47.95 262.44,19.51 ; 8 cut-outs
DGND on BOTTOM: 240.03,460.7 207.51,460.7 206.31,459.5 206.31,455.38 203.47,452.53 203.47,419.95 207.39,416.03 241.32,416.03 242.95,417.66 242.95,420.45 242.91,420.5 242.91,427.07 244.07,428.23 244.07,456.67 ; 8 cut-outs
DGND on BOTTOM: 678.67,145.92 678.67,157.99 677.4,159.26 672.96,159.26 671.69,160.53 671.69,176.4 672.96,177.67 677.4,177.67 678.67,178.94 678.67,190.37 676.13,192.91 658.99,192.91 645.23,179.16 645.23,155.55 654.54,146.24 670.73,146.24 672.32,144.65 677.4,144.65 ; 4 cut-outs
DGND on L02_PLANE: 689.28,1.02 1.31,1.02 1.31,487.43 689.28,487.43 ; 45 cut-outs
DGND on L04_PLANE, L06_PLANE, L08_PLANE, L10_PLANE, L12_PLANE, L14_PLANE: 1.31,1.02 1.31,487.43 689.28,487.43 689.28,1.02 ; 32 cut-outs
DGND on L13_SIGNAL: 1.31,1.02 1.31,487.43 689.28,487.43 689.28,1.02 ; 183 cut-outs
DGND on L15_SIGNAL: 647.96,9.73 647.96,140.31 653.16,145.51 660.72,145.51 663.66,148.46 663.66,230.78 664.4,231.51 664.4,273.52 663.41,274.51 663.41,280.34 664.25,281.19 664.25,285.77 644.64,305.39 644.64,306.31 641.85,309.1 640.59,309.1 638,311.68 638,312.67 634.85,315.83 634.78,315.83 632.63,317.98 632.63,409.74 569.77,472.59 569.77,481.03 574.75,486.01 686.43,486.01 687.45,484.99 687.45,377.15 679.87,369.57 679.87,304.56 674.89,299.58 668.27,299.58 667.42,298.73 667.42,207.98 670.2,205.21 685.42,205.21 688.24,202.38 688.24,141.1 678.17,131.03 678.17,11.31 671.5,4.63 653.05,4.63
DGND on L16_PLANE, L22_PLANE: 1.31,1.02 1.31,487.43 689.28,487.43 689.28,1.02
DGND on L18_PLANE, L20_PLANE: 1.31,1.02 1.31,487.43 689.28,487.43 689.28,1.02 ; 32 cut-outs
DGND on L26_RLY: 689.28,1.02 1.31,1.02 1.31,487.43 689.28,487.43 ; 6 cut-outs
DGND on L28_PLANE, L31_PLANE: 1.31,1.02 1.31,487.43 689.28,487.43 689.28,1.02 ; 1 cut-out
DGND on L29_POWER: 689.28,1.02 1.31,1.02 1.31,487.43 689.28,487.43 ; 30 cut-outs
DGND on L30_POWER: 1.31,1.02 1.31,487.43 689.28,487.43 689.28,1.02 ; 2 cut-outs
P5V on TOP: 24.19,444.44 34.6,444.44 35.16,445 35.16,451.77 34.66,452.26 19.93,452.26 19.6,451.93 19.6,448.45 19.99,448.06 23.75,448.06 24.23,447.57 24.23,445.53 24.03,445.33 24.03,444.6
P12V on TOP: 34.7,421.7 19.31,421.7 19.31,427.75 19.63,428.07 21.64,428.07 23.22,426.49 35.11,426.49 36.78,428.17 36.78,432.29 37.9,433.4 40.75,433.4 41.43,432.72 41.43,422.93 35.93,422.93
VDD5_ATX on TOP: 24.2,443.65 39.12,443.65 40.08,442.7 40.08,437.21 39.13,436.26 24.8,436.26 24.22,436.83 24.22,442.51 24.04,442.69 24.04,443.5
VDD5_ATX on L15_SIGNAL: 91.5,446.58 17.71,446.58 16.95,445.82 16.95,430.58 17.7,429.83 110.11,429.83 135.37,455.1 547.55,455.1 586.52,416.13 586.52,319.35 615.93,289.94 615.93,173.4 586.52,143.99 586.52,46.53 564.85,24.87 374.86,24.87 362.7,12.7 279.41,12.7 272.65,19.45 239.78,19.45 237.7,17.37 237.7,3.84 238.82,2.72 636.05,2.72 646.85,13.52 646.85,141.98 662.16,157.28 662.16,286.51 630.84,317.83 630.84,409.22 565.2,474.85 119.77,474.85
VDD18_ATX on TOP: 51.6,397.12 51.6,395.94 51.87,395.67 56.81,395.67 57.16,396.02 57.16,397.05 56.9,397.31 51.79,397.31
VDD18_ATX on BOTTOM: 667.66,319.6 666.01,319.6 665.96,319.55 665.96,318.55 666.13,318.38 667.71,318.38 667.88,318.54 667.88,319.38
VDD18_ATX on BOTTOM: 655.91,141.23 654.26,141.23 654.21,141.17 654.21,140.18 654.38,140.01 655.96,140.01 656.13,140.17 656.13,141.01
VDD18_ATX on BOTTOM: 667.66,84.27 666.01,84.27 665.96,84.22 665.96,83.22 666.13,83.05 667.71,83.05 667.88,83.21 667.88,84.05
VDD18_ATX on BOTTOM: 22.72,126.94 22.72,126.04 22.96,125.8 24.38,125.8 24.62,126.04 24.62,126.92 24.3,127.23 23.01,127.23
VDD18_ATX on BOTTOM: 22.93,361.12 24.58,361.12 24.64,361.17 24.64,362.17 24.46,362.34 22.88,362.34 22.72,362.18 22.72,361.34
VDD18_ATX on L05_SIGNAL: 15.8,66.27 20.64,61.44 49.79,61.44 55.96,67.6 55.96,284.02 71.29,299.35 71.29,431.16 101.59,461.46 162.44,461.46 163.87,460.03 175.64,460.03 177.07,461.46 608.93,461.46 612.43,457.96 612.43,361.66 626.93,347.17 626.93,15.62 631.59,10.95 668.91,10.95 671.74,13.79 671.74,86.35 670.19,87.91 670.19,122.69 671.74,124.24 671.74,321.84 669.8,323.79 669.8,356.39 642.09,384.09 642.09,477.45 638.26,481.29 84.11,481.29 48.54,445.72 48.54,381.99 41.05,374.49 22.14,374.49 15.8,368.16
VDD33_ATX on BOTTOM (solid shape): 136.61,275.03 136.73,274.99 136.78,274.87 136.63,273.35 136.05,274 135.51,274.72
VDD33_ATX on BOTTOM (solid shape): 136.61,258.87 136.73,258.84 136.78,258.72 136.63,257.19 136.05,257.85 135.51,258.57
VDD33_ATX on BOTTOM (solid shape): 136.61,215.03 136.73,214.99 136.78,214.87 136.63,213.35 136.05,214 135.51,214.72
VDD33_ATX on BOTTOM (solid shape): 136.61,198.87 136.73,198.84 136.78,198.72 136.63,197.19 136.05,197.85 135.51,198.57
VDD33_ATX on BOTTOM (solid shape): 228.64,243.07 228.76,243.03 228.81,242.92 228.66,241.39 228.08,242.05 227.54,242.76
VDD33_ATX on BOTTOM (solid shape): 228.64,183.07 228.76,183.03 228.81,182.92 228.66,181.39 228.08,182.05 227.54,182.76
VDD33_ATX on BOTTOM (solid shape): 250.85,243.07 250.98,243.03 251.03,242.92 250.88,241.39 250.3,242.05 249.76,242.76
VDD33_ATX on BOTTOM (solid shape): 250.85,183.07 250.98,183.03 251.03,182.92 250.88,181.39 250.3,182.05 249.76,182.76
VDD33_ATX on BOTTOM (solid shape): 446.44,259.89 446.97,259.17 445.88,258.87 445.76,258.91 445.7,259.02 445.86,260.55
VDD33_ATX on BOTTOM (solid shape): 446.44,199.89 446.97,199.18 445.88,198.87 445.76,198.91 445.7,199.02 445.86,200.55
VDD33_ATX on BOTTOM (solid shape): 468.65,259.89 469.19,259.17 468.09,258.87 467.97,258.91 467.92,259.02 468.07,260.55
VDD33_ATX on BOTTOM (solid shape): 468.65,199.89 469.19,199.18 468.09,198.87 467.97,198.91 467.92,199.02 468.07,200.55
VDD33_ATX on BOTTOM (solid shape): 554.55,274.59 555.09,273.87 553.99,273.57 553.87,273.6 553.82,273.72 553.97,275.25
VDD33_ATX on BOTTOM (solid shape): 554.55,258.44 555.09,257.72 553.99,257.41 553.87,257.45 553.82,257.57 553.97,259.09
VDD33_ATX on BOTTOM (solid shape): 554.55,214.59 555.09,213.87 553.99,213.57 553.87,213.6 553.82,213.72 553.97,215.25
VDD33_ATX on BOTTOM (solid shape): 554.55,198.44 555.09,197.72 553.99,197.41 553.87,197.45 553.82,197.57 553.97,199.09
VDD33_ATX on TOP: 581.49,39.52 581.17,39.2 581.17,37.61 580.25,36.7 580.25,33.28 580.48,33.05 591.33,33.05 593.23,34.96 593.23,41.84 592.55,42.52 588.89,42.52 588.38,42.02 588.38,39.87 588.04,39.52 586.7,39.52 586.7,39.52
VDD33_ATX on TOP: 124.05,33.95 123.73,33.64 123.73,32.05 122.82,31.13 122.82,27.72 123.05,27.49 133.89,27.49 135.8,29.4 135.8,36.28 135.12,36.96 131.46,36.96 130.95,36.45 130.95,34.3 130.6,33.95 129.27,33.95 129.27,33.95
VDD33_ATX on TOP: 566.27,451.55 566.59,451.86 566.59,453.45 567.51,454.37 567.51,457.78 567.28,458.01 556.43,458.01 554.53,456.1 554.53,449.22 555.2,448.54 558.87,448.54 559.37,449.05 559.37,451.2 559.72,451.55 561.05,451.55 561.06,451.55
VDD33_ATX on TOP: 150.06,454.57 150.38,454.89 150.38,456.47 151.3,457.39 151.3,460.8 151.07,461.03 140.22,461.03 138.31,459.13 138.31,452.24 138.99,451.56 142.66,451.56 143.16,452.07 143.16,454.22 143.51,454.57 144.84,454.57 144.84,454.57
VDD33_ATX on TOP: 39.02,462.12 48.47,462.12 48.68,462.34 49.68,462.34 49.83,462.19 49.83,455.84 49.25,455.26 38.33,455.26 37.96,455.63 37.96,460.37 38.59,461 38.59,461.69
(no net) on L03_SIGNAL: 2.64,485.83 2.64,4.58 688.16,4.58 688.16,485.83 ; 101 cut-outs
(no net) on L05_SIGNAL, L09_SIGNAL, L17_SIGNAL, L36_SIGNAL: 1.31,1.02 1.31,487.43 689.28,487.43 689.28,1.02
(no net) on L33_PLANE, L35_PLANE: 1.31,1.02 1.31,487.43 689.28,487.43 689.28,1.02 ; 32 cut-outs
(no net) on L36_SIGNAL: 334.48,139.27 334.48,68.95 334.61,68.95 334.61,9.55 339.32,4.83 634.26,4.83 648.08,18.65 648.08,34.23 633.88,48.43 554.87,48.43 538.25,31.81 375.28,31.81 357.55,49.54 357.55,138.34 352.9,142.99 338.2,142.99
(no net) on L37_PLANE: 1.31,1.02 1.31,487.43 689.28,487.43 689.28,1.02 ; 1 cut-out
(no net) on L38_SIGNAL: 1.31,1.02 1.31,487.43 689.28,487.43 689.28,1.02 ; 16 cut-outs
